# Allegro board RK_EVB1_RK3576_LP4XD200P132SD6_V12_20240530YWQ.brd (continued)
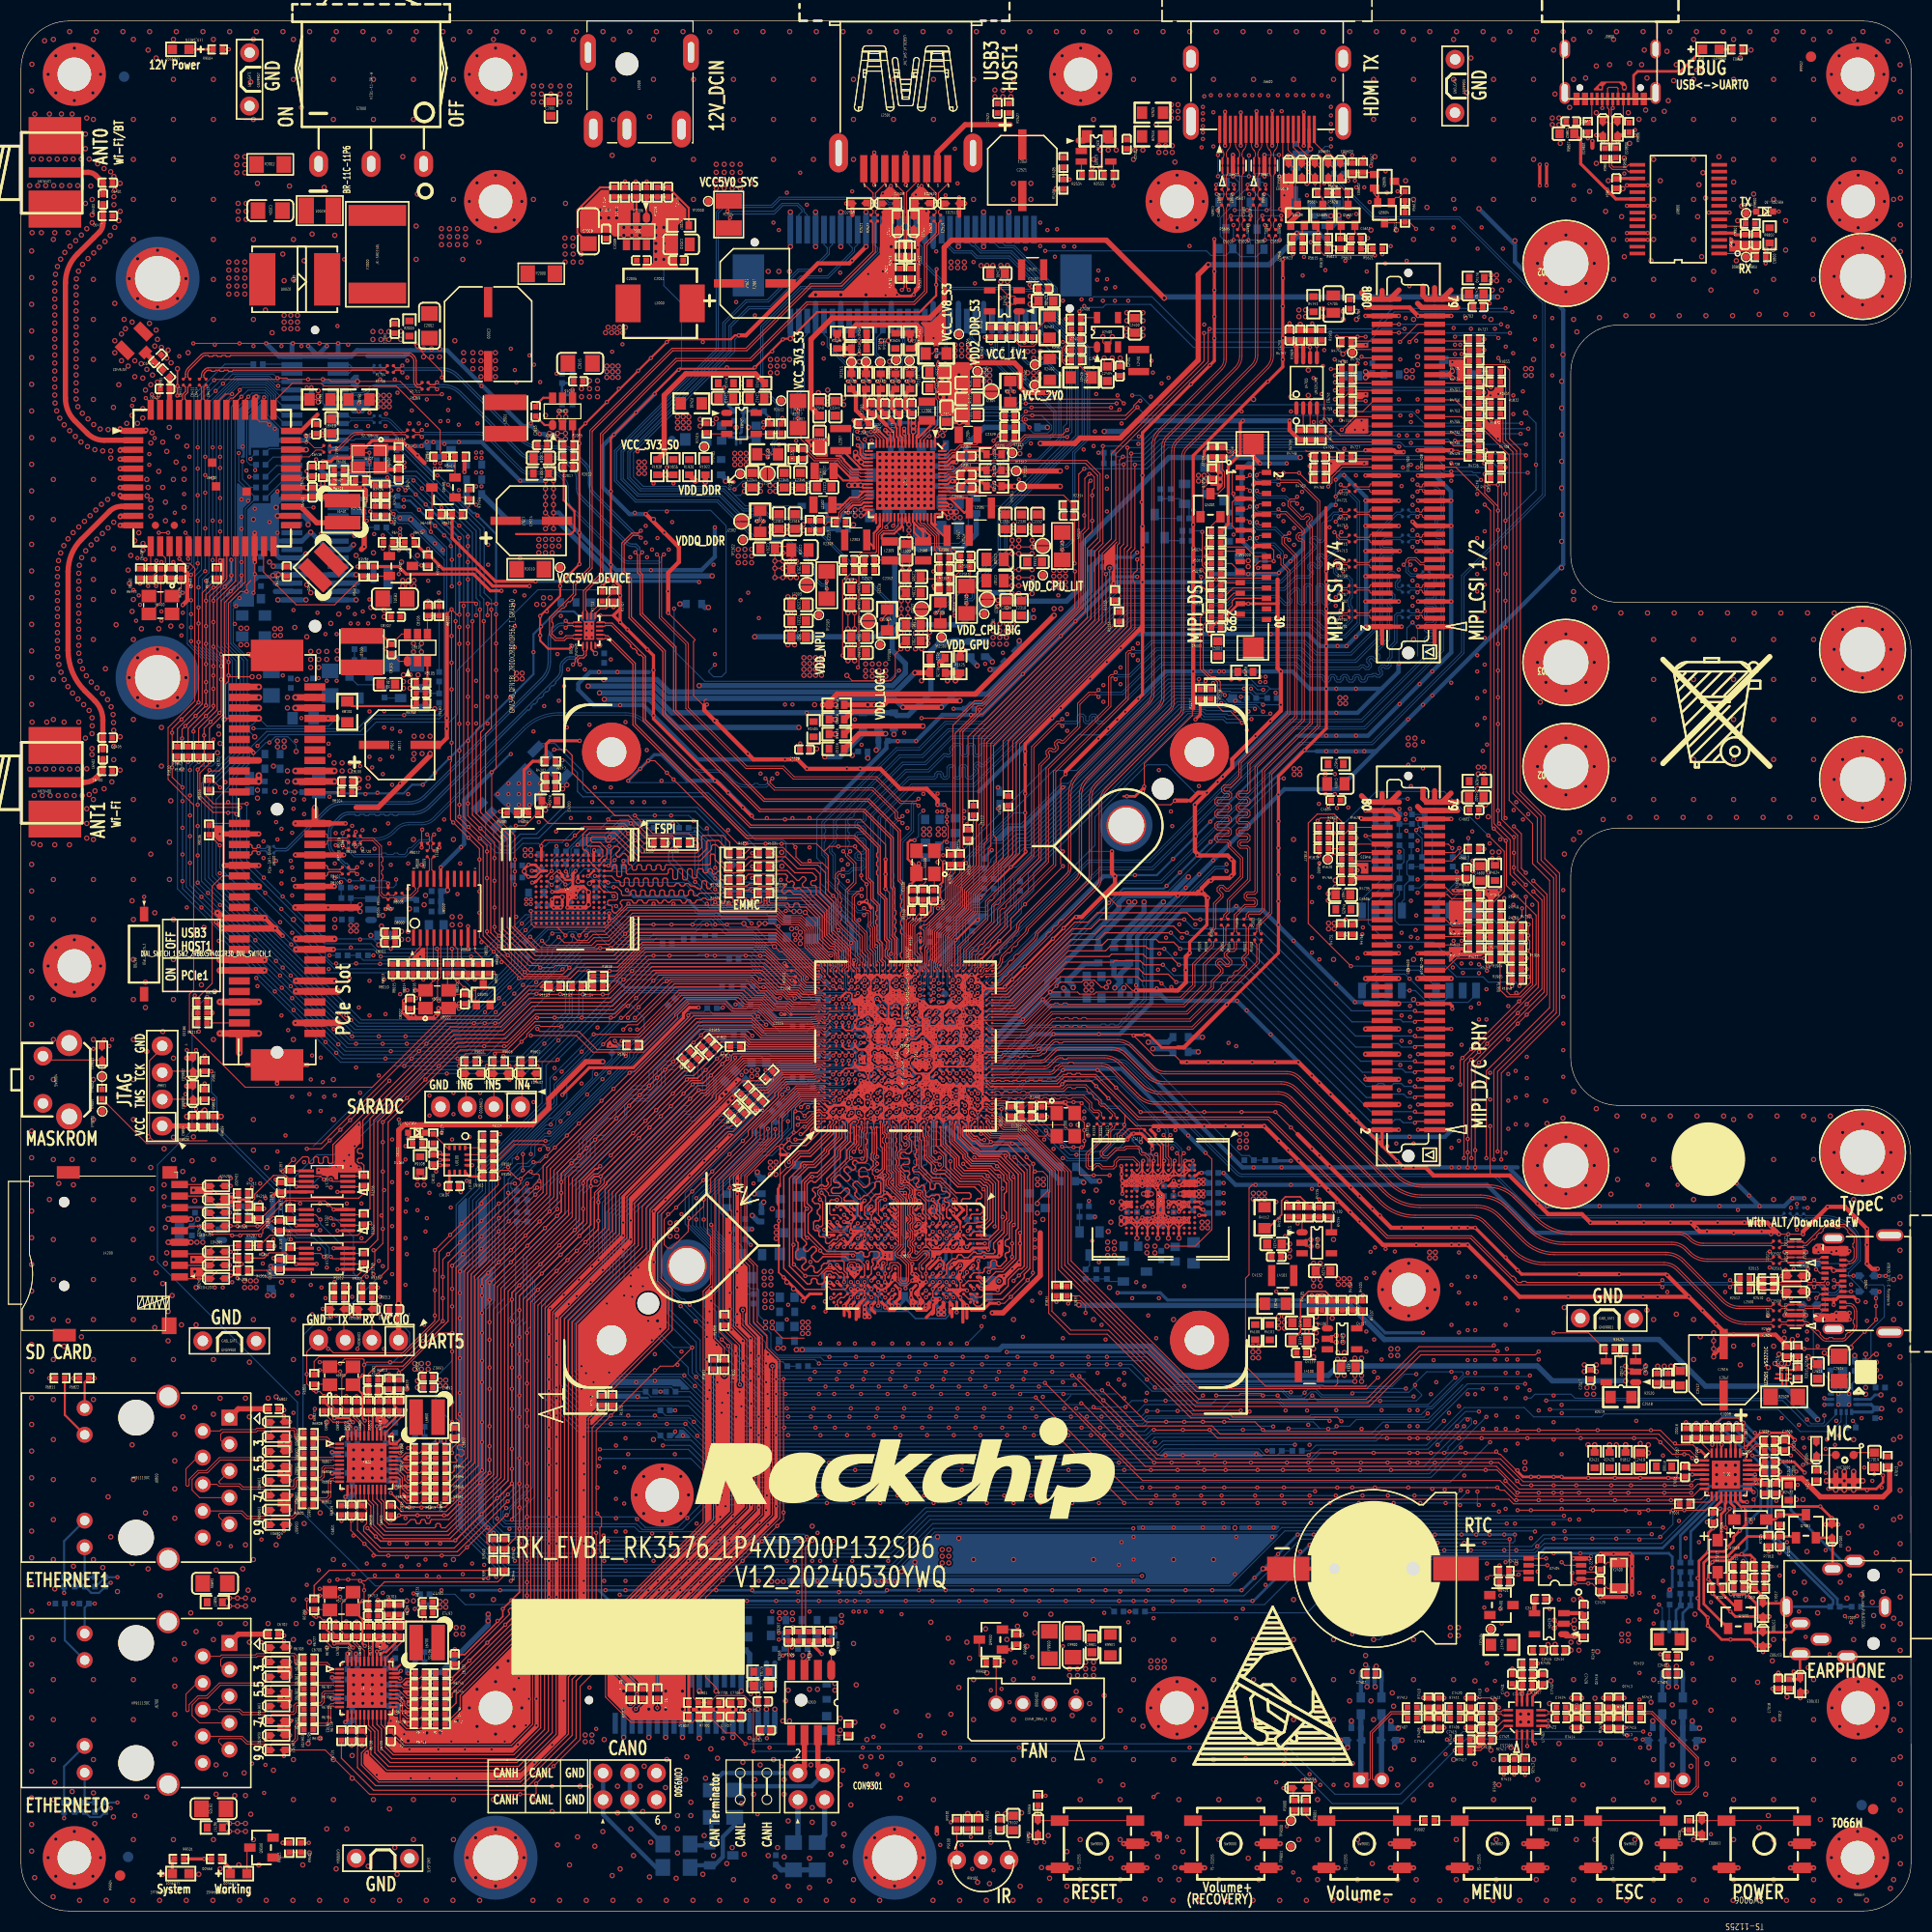
[diagram p0: board, top side]
## Routing (per net, layer and track width the routed paths; a pad name or vN(x,y) marks a point on that pad's centre or on a via; arc(x,y) is an arc through that point) (continued)
FSPI0_D3/EMMC_D3: length 16.7
  TOP w0.089: 78.79,91 78.79,90.57 78.84,90.53 78.84,89.61 U1000.F28
  TOP w0.102: 78.79,91 78.79,91.38
  TOP w0.114: 78.79,91.38 78.79,91.67 77.17,93.29 77.17,95.92 76.11,96.97 76.11,98.75 75.61,99.26 73.95,99.26 72.81,100.4 72.05,100.4 v1(71.71,100.75) R1331.1
  BOTTOM w0.114: R1331.1 v1(71.71,100.75)
FSPI_CLKOUT: length 17.7
  TOP w0.114: v1(50.79,110.61) 51.93,110.61 52.49,110.05 52.49,108.4 56.57,104.33 57.85,104.33 59.77,102.4 62.04,102.4 R1350.2
  BOTTOM w0.114: U4300.6 v1(50.79,110.61)
FSPI_CSN0: length 16
  TOP w0.114: R1352.2 60.17,101.67 59.35,101.67 57.44,103.58 50.24,103.58 R4300.2 48,103.36 v1(47.12,103.36)
  BOTTOM w0.114: U4300.1 v1(47.12,103.36)
FSPI_D0: length 33.3
  BOTTOM w0.114: U4300.5 49.03,110.66 49.57,111.2 50.84,111.2 53.51,108.53 53.51,106.88 53.89,106.5 65.45,106.5 69.93,102.01 72.58,102.01 72.86,101.73 72.86,100.58 72.19,99.91 70.41,99.91 70.3,99.8 R1340.2
FSPI_D1: length 29.6
  BOTTOM w0.114: U4300.2 45,103.03 45,102.31 45.89,101.42 46.4,101.42 47.54,102.56 49.06,102.56 51.6,105.1 64.43,105.1 67.1,102.43 67.1,100.4 R1341.2
FSPI_D2: length 36.4
  TOP w0.114: v1(45.64,104.72) 45.77,104.59 R4301.2
  BOTTOM w0.114: R1342.2 70.08,97.99 68.62,97.99 66.72,99.89 66.72,102.23 64.23,104.72 51.86,104.72 49.32,102.18 47.79,102.18 46.65,101.04 45.63,101.04 44.24,102.43 44.24,104.06 U4300.3 44.89,104.72 v1(45.64,104.72)
FSPI_D3: length 25.3
  TOP w0.114: R4302.2 51.46,109.49 v1(51.56,109.59)
  BOTTOM w0.114: U4300.7 v1(51.56,109.59) 51.81,109.59 53,108.4 53,106.62 53.51,106.12 65.19,106.12 70.3,101.01 R1343.2
GMAC0_INT/PMEB: length 5.5
  TOP w0.127: U6700.31 34.7,24.05 36.62,25.97 36.62,27.63 R6731.1
GMAC0_MCLKINOUT_M0: length 17.1
  TOP w0.114: R6710.1 C6703.1 R6713.1 33.1,29.83 34.62,31.34 45.41,31.34 46.04,31.97 R1944.2
GMAC0_MDC_M0: length 61.2
  TOP w0.114: U6700.13 31.9,17.75 32.04,17.6 32.04,13.66 33.77,11.94 47.7,11.94 52.49,16.73 52.49,22.07 54.4,23.98 54.4,46.05 56.32,47.97 R1925.2
GMAC0_MDIO_M0: length 60.1
  TOP w0.114: R1924.2 54.04,46.9 54.04,24.18 52.13,22.28 52.13,16.85 47.56,12.28 34.05,12.28 32.43,13.91 32.43,15.06 32.93,15.57 32.93,16.7 R6738.1 32.3,17.34 U6700.14
GMAC0_RSTN: length 132.2
  TOP w0.102: U1000.1C18 v1(77.94,85.07)
  TOP w0.114: v1(54.78,36.01) 54.78,23.82 52.87,21.92 52.87,16.45 47.92,11.5 33.57,11.5 30.51,14.56 R6739.1
  BOTTOM w0.102: 77.13,85.42 77.59,85.42 v1(77.94,85.07)
  BOTTOM w0.114: 77.13,85.42 73.45,85.42 72.81,86.05 72.05,86.05 71.29,86.81 68.62,86.81 68.49,86.94 63.16,86.94 57.96,81.74 57.96,81.29 50.45,73.78 49.88,73.78 48.94,72.84 48.94,71.95 48.17,71.19 47.28,71.19 46.04,69.94 46.04,58.34 44.98,57.28 44.98,36.98 45.95,36.01 v1(54.78,36.01)
GMAC0_RXCLK_M0: length 81.6
  TOP w0.089: 75.64,81.64 75.73,81.72 76.26,81.72 76.43,81.55 76.82,81.55 U1000.1A12
  TOP w0.114: R6744.2 40.43,22.63 C6722.1 41.77,23.52 46.51,28.25 46.51,28.41 46.42,28.5 46.42,28.67 46.58,28.83 46.74,28.83 46.88,28.69 47.04,28.69 47.2,28.85 47.2,29.01 47.06,29.15 47.06,29.31 47.22,29.47 47.39,29.47 47.52,29.33 47.69,29.33 47.83,29.48 47.83,58.28 54.62,65.07 54.62,68.4 55.54,69.32 55.54,69.67 64.48,78.61 65.25,78.61 67.65,81.02 67.65,81.43 67.86,81.64 75.64,81.64
GMAC0_RXCTL_M0: length 80.1
  TOP w0.089: U1000.B13 76.37,81.27 76.1,81.54 75.83,81.54 75.72,81.42 75.54,81.42
  TOP w0.114: 75.54,81.42 68.66,81.42 65.13,77.89 64.78,77.89 55.62,68.73 55.62,65.05 48.55,57.98 48.55,29.18 41.03,21.66 R6745.2
GMAC0_RXD0_M0: length 79.7
  TOP w0.114: R6740.2 40.55,20.7 48.89,29.04 48.89,57.84 55.97,64.91 55.97,68.6 65.04,77.67 65.22,77.67 68.75,81.2 75.93,81.2 U1000.A13
GMAC0_RXD1_M0: length 81.3
  TOP w0.089: U1000.1A11 76.87,81 75.3,81 75.28,80.99
  TOP w0.114: R6741.2 41.06,20.4 41.06,20.73 49.23,28.9 49.23,57.69 56.31,64.77 56.31,68.46 68.84,80.99 75.28,80.99
GMAC0_RXD2_M0: length 81.5
  TOP w0.089: U1000.B12 76.45,80.81 75.39,80.81 75.35,80.77
  TOP w0.114: R6742.2 41.44,19.82 41.44,20.62 49.58,28.76 49.58,57.55 56.65,64.63 56.65,68.31 65.83,77.49 65.83,77.67 68.93,80.77 75.35,80.77
GMAC0_RXD3_M0: length 82.8
  TOP w0.089: 75.65,80.53 75.74,80.62 76.26,80.62 76.43,80.45 76.92,80.45 U1000.1A10
  TOP w0.114: 75.65,80.53 69.03,80.53 66.21,77.71 66.21,77.38 56.99,68.17 56.99,64.49 49.92,57.41 49.92,28.61 41.82,20.52 41.82,19.23 R6743.2
GMAC0_TXCLK_M0: length 90.4
  TOP w0.114: U6700.20 34.7,17.67 C6720.1 35.23,17.03 36.49,15.77 46.71,15.77 48.73,17.79 48.73,23.68 49.33,24.28 49.33,24.44 49.08,24.69 49.08,24.85 49.24,25.01 49.4,25.01 49.65,24.76 49.81,24.76 49.97,24.93 49.97,25.09 49.72,25.34 49.72,25.5 49.89,25.66 50.05,25.66 50.3,25.41 50.46,25.41 50.64,25.59 50.64,57.03 57.71,64.11 57.71,68.01 68.76,79.07 70.66,79.07 R1931.2
GMAC0_TXCTL_M0: length 87.7
  TOP w0.114: U6700.19 34.3,17.76 34.71,17.34 34.71,15.62 35.45,14.88 46.93,14.88 49.49,17.45 49.49,23.41 51.4,25.32 51.4,56.52 58.43,63.55 58.43,67.4 65.95,74.93 65.95,75.06 68.58,77.68 R1928.2
GMAC0_TXD0_M0: length 86.5
  TOP w0.114: U6700.18 33.9,17.78 34.33,17.34 34.33,15.48 35.3,14.51 47.08,14.51 49.86,17.29 49.86,23.26 51.77,25.17 51.77,56.37 58.8,63.4 58.8,67.29 R1930.2
GMAC0_TXD1_M0: length 89.5
  TOP w0.114: U6700.17 33.5,17.67 34.01,17.16 34.01,16.37 34.01,15.63 34.01,15.28 35.14,14.14 47.23,14.14 50.23,17.14 50.23,23.11 52.14,25.01 52.14,56.22 59.17,63.25 59.17,67.1 67.07,75 67.2,75 68.35,76.15 R1929.2
GMAC0_TXD2_M0: length 88.4
  TOP w0.114: U6700.16 33.1,17.69 33.7,17.09 33.7,16.54 33.7,15.69 33.7,15.07 34.99,13.77 47.39,13.77 50.6,16.99 50.6,22.96 52.5,24.86 52.5,56.07 59.53,63.1 59.53,66.94 67.21,74.62 67.5,74.62 R1933.2
GMAC0_TXD3_M0: length 91.4
  TOP w0.114: R1932.2 67.8,74.24 67.35,74.24 59.9,66.79 59.9,62.94 52.87,55.91 52.87,24.71 50.97,22.8 50.97,16.84 47.54,13.41 34.84,13.41 33.31,14.93 33.31,15.46 33.31,17.09 32.7,17.71 U6700.15
GMAC1_INT/PMEB: length 24
  TOP w0.127: U6800.31 34.7,45.52 36.24,47.06 36.36,47.06 36.62,47.32 v1(36.62,47.7) 36.62,49.09 R6831.1
  L4-SIG w0.091: v1(37.38,30.24) 37.38,44.07 36.62,44.84 v1(36.62,47.7)
  BOTTOM w0.114: v1(37.38,30.24) 37.93,30.24 R1129.2
GMAC1_MCLKINOUT_M0: length 29.2
  TOP w0.114: R6810.1 C6803.1 R6813.1 33.1,51.16 33.82,51.89 36.39,51.89 40.68,56.18 40.68,61.76 v1(48.21,69.29)
  BOTTOM w0.114: R1903.2 v1(48.21,69.29)
GMAC1_MDC_M0: length 73.5
  TOP w0.114: v1(46.35,39.02) 41.55,34.21 34.1,34.21 32.04,36.27 32.04,39.06 31.9,39.21 U6800.13
  BOTTOM w0.114: R1920.2 65.67,83.1 63.67,81.1 63.67,80.08 52.51,68.92 52.51,66.64 48.18,62.31 48.18,56.21 47.83,55.86 47.83,40.49 v1(46.35,39.02)
GMAC1_MDIO_M0: length 75.2
  TOP w0.114: U6800.14 32.3,38.8 R6838.1 32.91,38.18 32.91,36.88 32.64,36.61 32.64,36.18 34.25,34.57 41.27,34.57 v1(46.38,39.67)
  BOTTOM w0.114: R1921.2 67.68,83.64 65.5,83.64 63.29,81.43 63.29,80.21 52.15,69.08 52.15,66.79 47.83,62.46 47.83,56.39 47.11,55.68 47.11,40.41 v1(46.38,39.67)
GMAC1_RSTN: length 93
  TOP w0.089: 75.5,86.12 76.25,86.12 76.43,85.95 77.02,85.95 U1000.1A19
  TOP w0.102: 75.5,86.12 74.72,86.12
  TOP w0.114: v1(34.2,60.4) 34.97,61.16 34.97,75.13 41.84,82.01 46.26,82.01 48.96,84.7 58.61,84.7 62.22,88.3 69.29,88.3 70.17,87.42 70.78,87.42 71.81,86.39 73.11,86.39 73.38,86.12 74.72,86.12 ; R6839.1 30.51,37.16 v1(30.52,37.16)
  BOTTOM w0.114: v1(34.2,60.4) 34.08,60.4 31.54,57.86 29.89,57.86 26.86,54.83 26.86,40.82 v1(30.52,37.16)
GMAC1_RXCLK_M0: length 68.1
  TOP w0.102: U1000.1D15 v1(78.54,83.27)
  TOP w0.114: v1(49.16,68.89) 49,68.73 48.89,68.73 41.44,61.28 41.44,46.94 41.75,46.62 41.75,45.54 C6822.1 41.32,45.02 R6844.2
  BOTTOM w0.114: v1(49.16,68.89) 49.61,68.89 52.28,71.57 53.3,71.57 53.51,71.78 53.51,73.52 58.23,78.24 59.97,78.24 60.22,78.49 60.22,80.1 64.93,84.81 71.21,84.81 72.24,83.77 74.85,83.77 75.22,84.15 76.92,84.15 77.23,83.84 77.97,83.84 v1(78.54,83.27)
GMAC1_RXCTL_M0: length 67.7
  TOP w0.089: 75.58,84.05 75.64,84.11 76.45,84.11 U1000.B18
  TOP w0.114: R6845.2 40.78,42.74 41.44,42.74 41.52,42.82 41.52,42.98 41.36,43.13 41.36,43.3 41.52,43.46 41.68,43.46 41.84,43.3 42,43.3 42.17,43.47 42.17,43.82 42.06,43.93 41.68,43.93 41.57,44.05 41.57,44.27 41.68,44.39 42.06,44.39 42.17,44.5 42.17,60.9 49.72,68.45 49.72,70.95 60.61,81.83 64.06,85.29 69.57,85.29 70.81,84.05 75.58,84.05
GMAC1_RXD0_M0: length 67.4
  TOP w0.089: U1000.1A16 77.04,84.14 76.65,83.75 76.43,83.75 76.26,83.92 75.74,83.92 75.65,83.83
  TOP w0.114: 75.65,83.83 70.72,83.83 69.55,85 64.26,85 60.95,81.69 50.07,70.81 50.07,68.31 42.52,60.76 42.52,43.18 41.7,42.36 41.44,42.36 41.25,42.17 41.25,41.92 41.06,41.73 40.83,41.73 R6840.2
GMAC1_RXD1_M0: length 66.8
  TOP w0.089: U1000.B17 76.37,83.47 76.1,83.74 75.83,83.74 75.72,83.62
  TOP w0.114: R6841.2 40.62,40.97 40.93,40.97 42.86,42.89 42.86,60.62 50.41,68.17 50.41,70.67 61.29,81.55 64.4,84.66 69.59,84.66 70.63,83.62 75.72,83.62
GMAC1_RXD2_M0: length 66.1
  TOP w0.114: U1000.A17 75.92,83.4 70.54,83.4 69.63,84.31 64.54,84.31 61.63,81.41 50.75,70.52 50.75,68.02 43.2,60.47 43.2,42.69 40.75,40.23 R6842.2
GMAC1_RXD3_M0: length 67.6
  TOP w0.089: U1000.1A15 76.67,83.2 75.61,83.2 75.59,83.18
  TOP w0.114: 75.59,83.18 70.45,83.18 69.67,83.97 64.68,83.97 51.09,70.38 51.09,67.88 43.54,60.33 43.54,42.42 R6843.2
GMAC1_TXCLK_M0: length 77.4
  TOP w0.114: U6800.20 34.7,39.13 C6820.1 35.68,38.6 36.24,38.04 40.48,38.04 44.26,41.82 44.26,60.03 v1(51.07,66.85)
  BOTTOM w0.114: R1914.2 75.65,83.38 71.03,83.38 70.27,84.15 64.99,84.15 62.61,81.77 62.61,80.88 62.27,80.55 61.26,80.55 60.98,80.27 60.98,78.59 59.75,77.35 58.06,77.35 57.49,76.78 57.49,75.76 55.6,73.87 54.58,73.87 54.23,73.51 54.23,71.83 53.25,70.85 52.38,70.85 51.07,69.54 v1(51.07,66.85)
GMAC1_TXCTL_M0: length 63.8
  TOP w0.114: R1919.2 62.95,81.22 51.81,70.08 51.81,66.39 45.02,59.6 45.02,41.57 40.73,37.28 39.09,37.28 38.98,37.17 38.98,37.02 38.87,36.9 38.64,36.9 38.52,37.02 38.52,37.17 38.41,37.28 38.18,37.28 38.07,37.17 38.07,37.02 37.95,36.9 37.72,36.9 37.61,37.02 37.61,37.17 37.49,37.28 37.12,37.28 36.68,36.83 35.03,36.83 34.58,37.28 34.58,38.93 34.3,39.22 U6800.19
GMAC1_TXD0_M0: length 66.3
  TOP w0.114: U6800.18 33.9,39.24 34.33,38.81 34.33,37.28 34.33,37.03 34.87,36.49 39.39,36.49 39.5,36.6 39.5,36.79 39.61,36.9 39.84,36.9 39.96,36.79 39.96,36.6 40.07,36.49 40.43,36.49 45.37,41.43 45.37,59.46 52.16,66.25 52.16,69.94 62.89,80.67 63.21,80.67 R1915.2
GMAC1_TXD1_M0: length 64.7
  TOP w0.114: R1918.2 63.56,80.34 63.04,80.34 55.65,72.95 52.5,69.8 52.5,66.11 45.71,59.32 45.71,41.29 40.57,36.15 34.7,36.15 33.95,36.9 33.95,37.83 33.95,38.68 33.5,39.13 U6800.17
GMAC1_TXD2_M0: length 67.6
  TOP w0.114: U6800.16 33.1,39.15 33.57,38.68 33.57,38 33.57,37.15 33.57,36.77 34.54,35.8 40.71,35.8 46.05,41.15 46.05,59.17 52.84,65.96 52.84,69.66 55.89,72.71 63.17,79.99 63.89,79.99 R1912.2
GMAC1_TXD3_M0: length 70.6
  TOP w0.114: R1913.2 66.84,82.32 64.09,79.57 63.24,79.57 53.19,69.51 53.19,65.82 46.39,59.03 46.39,41 40.85,35.46 34.5,35.46 33.31,36.65 33.31,36.92 33.31,38.56 32.7,39.17 U6800.15
GPIO0_A0_D: length 11.6
  TOP w0.102: R1110.1 88.54,98.93 88.05,98.45 88.05,96.38 87.5,95.83 87.16,95.83 86.91,95.58 86.91,95.07 86.14,94.31 85.64,94.31 85.12,93.79 85.12,91.14 85.39,90.88 85.39,90.11 U1000.V29
GPIO0_A2_D: length 47.5
  TOP w0.102: U1000.1U23 v1(86.94,88.67)
  BOTTOM w0.102: v1(86.94,88.67) 87.16,88.89 87.16,89.83 89.7,92.37 89.7,94.56 90.72,95.58 91.79,95.58 93.07,96.85 93.07,99.95 95.05,101.93 96.01,101.93 109.87,115.79 113.88,115.79 114.24,116.15 115.14,116.15 115.23,116.06 117.09,116.06 R1111.1 R1113.1
GPIO0_A3_D: length 16.8
  TOP w0.089: 86.28,90.54 86.28,90.29 86.17,90.18 86.17,89.88 86.44,89.61 U1000.Y28
  TOP w0.102: R1112.1 90.7,99.59 88.86,97.74 88.86,95.98 86.41,93.54 86.41,91.65 86.28,91.52 86.28,90.54
GPIO0_A4_D: length 15.1
  TOP w0.089: 86.08,90.46 86.08,90.35 85.99,90.26 85.99,89.8 86.16,89.63 86.16,89.09 U1000.1T24
  TOP w0.102: 86.08,90.46 86.08,91.7 86.21,91.83 86.21,93.62 88.66,96.07 88.66,97.83 90.34,99.51 90.34,99.77 90.34,99.77 90.34,101.93 R1114.1
GPIO0_A5_D: length 218
  TOP w0.102: v1(103.04,139.52) 103.04,130.25 102.28,129.48 102.28,122.99 91.21,111.92 91.21,103.94 90.97,103.7 90.97,99.58 89.06,97.66 89.06,95.9 86.61,93.45 86.61,90.63 86.48,90.5 86.48,90.11 U1000.Y29
  L4-SIG w0.102: v1(174.46,46.68) 174.46,47.14 173.75,47.85 173.75,54.02 174.28,54.55 175.48,54.55 176.3,55.37 176.3,65.12 171.49,69.92 155.43,69.92 146.53,78.82 146.53,100.77 146.53,100.78 146.53,105.04 143.93,107.64 143.93,140.79 v1(143.55,141.17)
  BOTTOM w0.102: v1(143.55,141.17) 137.84,141.17 137.58,141.42 125.01,141.42 124.76,141.17 107.99,141.17 106.9,140.07 105.58,140.07 105.03,139.52 v1(103.04,139.52) ; R1115.1 174.73,46.41 v1(174.46,46.68)
GPIO0_A6_U: length 8
  TOP w0.102: v1(85.61,87.19) 85.63,87.17 U1000.1T21
  BOTTOM w0.102: v1(85.61,87.19) 85.94,87.52 85.94,87.95 86.18,88.19 86.18,88.94 86.5,89.26 86.5,90.85 88.33,92.67 R1116.1
GPIO0_A7_U: length 13
  TOP w0.102: U1000.1U21 v1(86.94,87.47)
  BOTTOM w0.102: R1117.1 91.38,97.38 88.81,94.81 88.81,92.76 86.71,90.65 86.71,89.18 86.38,88.86 86.38,88.05 C1120.1 86.94,87.49 v1(86.94,87.47)
GPIO0_B0_Z: length 12.8
  TOP w0.102: U1000.1U22 v1(86.94,88.07)
  BOTTOM w0.102: v1(86.94,88.07) 86.59,88.42 86.59,88.78 86.91,89.1 86.91,89.86 89.36,92.31 89.36,94.59 90.59,95.83 91.23,95.83 92.64,97.25 R1118.1
GPIO0_B1_Z: length 1.7
  TOP w0.102: v1(85.14,88.66) 85.12,88.64 85.11,88.64 U1000.1P23
  BOTTOM w0.102: R1120.1 85.52,89.62 85.52,89.05 85.14,88.67 v1(85.14,88.66)
GPIO0_B2_Z: length 6.4
  TOP w0.102: v1(85.61,87.77) U1000.1T22
  BOTTOM w0.102: v1(85.61,87.77) 85.61,87.9 85.98,88.27 85.98,89.02 86.3,89.34 86.3,91.23 87.44,92.37 R1122.1
GPIO0_B3_Z: length 4.8
  TOP w0.102: v1(85.61,88.37) U1000.1T23
  BOTTOM w0.102: R1123.1 86.1,91.85 86.1,89.42 85.73,89.05 85.73,88.49 v1(85.61,88.37)
GPIO0_B4_D: length 280.3
  TOP w0.089: U1000.AD28 88.64,89.61 88.37,89.88 88.37,90.18 88.44,90.25 88.44,90.54
  TOP w0.102: 88.44,90.54 88.44,92.7 90.86,95.13 90.86,96.76 94.78,100.68 94.78,111.29 105.72,122.22 105.72,129.37 106.08,129.74 v1(106.08,137.74)
  L4-SIG w0.102: v1(123.8,34.55) 124.12,34.87 124.12,56.84 124.64,57.36 124.64,60.66 128.31,64.33 128.31,68.65 128.44,68.78 128.44,91.77 133.36,96.7 133.36,105.65 130.86,108.15 130.86,139.07 v1(131.26,139.47)
  BOTTOM w0.102: v1(131.26,139.47) 131.11,139.62 108.91,139.62 107.03,137.74 v1(106.08,137.74) ; R1130.1 R1129.1 41.32,30.17 42.3,29.18 118.43,29.18 v1(123.8,34.55)
GPIO0_B7_D: length 40.8
  TOP w0.089: 87.82,90.49 87.81,90.48 87.81,89 U1000.1W24
  TOP w0.102: 87.82,90.49 87.82,92.94 90.26,95.38 90.26,97.02 93.53,100.29 93.53,111.44 104.56,122.47 R1131.1
GPIO0_C0_D: length 41.9
  TOP w0.102: R1133.1 104.05,124.72 104.05,122.43 92.62,111 92.62,102.45 92.88,102.2 92.88,99.92 90.06,97.1 90.06,95.47 87.62,93.02 87.62,90.14 U1000.AB29
GPIO0_C3_D: length 1.1
  TOP w0.102: v1(87.41,87.17) U1000.1W21
  BOTTOM w0.102: v1(87.41,87.17) 87.8,87.17 TP1100.1
GPIO0_C7_D: length 11.8
  TOP w0.102: U1000.1Y23 v1(88.74,88.67)
  BOTTOM w0.102: R1109.1 94.78,96.78 94.78,95.41 90.96,91.58 90.64,91.58 88.74,89.68 v1(88.74,88.67)
GPIO0_D1_D: length 18.3
  TOP w0.089: 88.04,90.38 88,90.34 88,89.61 U1000.AC28
  TOP w0.102: R1137.1 94.02,100.49 90.46,96.93 90.46,95.3 88.04,92.88 88.04,90.38
GPIO0_D3_D: length 132.5
  TOP w0.102: U1000.1AA23 89.3,88.62 v1(89.3,88.62)
  L4-SIG w0.102: v1(105.58,28.52) 105.58,57.6 111.52,63.55 111.52,70.4 112.31,71.19 112.31,78.18 117.18,83.05 v1(117.18,113.51)
  BOTTOM w0.102: R1142.1 v1(105.58,28.52) R1140.1 ; v1(89.3,88.62) 89.07,88.84 89.07,89.73 90.72,91.38 91.18,91.38 95.04,95.23 95.04,96.21 95.93,97.1 95.93,98.83 111.14,114.04 112.38,114.04 112.69,113.74 114.59,113.74 114.82,113.51 v1(117.18,113.51)
GPIO1_A4: length 20
  TOP w0.089: 78.57,90.46 78.65,90.38 78.65,89.88 78.47,89.7 78.47,89.34 U1000.1D24
  TOP w0.102: 78.57,90.46 78.57,91.38
  TOP w0.114: 78.57,91.38 78.57,91.58 77.63,92.53 77.49,92.53 76.95,93.07 76.95,95.63 75.73,96.85 75.73,97.55 75.62,97.67 75.34,97.67 75.22,97.78 75.22,98.01 75.34,98.12 75.62,98.12 75.73,98.24 75.73,98.5 75.35,98.88 73.7,98.88 72.56,100.02 69.52,100.02 68.98,99.48 R1332.1
GPIO1_A5: length 19.9
  TOP w0.089: U1000.G28 79.02,89.79 79.02,90.66 79,90.68
  TOP w0.114: 79,90.68 79,91.78 77.38,93.39 77.38,96.13 76.62,96.89 76.62,98.88 75.89,99.61 74.24,99.61 72.56,101.29 69.52,101.29 68.98,100.75 R1333.1
GPIO1_A6: length 15.9
  TOP w0.089: 77.74,90.5 77.74,89.61 U1000.D28
  TOP w0.102: 77.74,90.5 77.68,90.56 77.68,91.22 77.52,91.38
  TOP w0.114: 77.52,91.38 77.26,91.64 76.98,91.64 76.09,92.53 76.09,94.66 74.28,96.46 72.05,96.46 71.82,96.7 71.82,96.87 72.05,97.1 72.05,97.37 71.94,97.48 71.54,97.48 71.41,97.61 70.27,97.61 70.14,97.48 69.52,97.48 69.26,97.22 68.69,97.22 R1334.1
GPIO1_A7: length 13.3
  TOP w0.089: 77.47,90.41 77.55,90.33 77.55,89.88 77.37,89.7 77.37,89.24 U1000.1B24
  TOP w0.102: 77.47,90.41 77.47,91.14 77.28,91.33 76.88,91.33
  TOP w0.114: 76.88,91.33 75.87,92.34 75.87,94.49 74.75,95.61 74.23,95.61 74.12,95.72 74.12,95.86 73.99,95.99 73.71,95.99 73.6,95.87 73.6,95.72 73.49,95.61 73.26,95.61 73.14,95.72 73.14,95.87 73.03,95.99 71.38,95.99 71.27,96.1 71.27,96.87 R1335.1
GPIO1_B0: length 28.8
  TOP w0.114: v1(80.34,87.47) U1000.1F22
  BOTTOM w0.114: R1336.1 64.28,103.16 65.66,101.78 65.66,99.3 67.49,97.48 76.02,97.48 79.54,93.96 79.54,91.38 80.56,90.37 80.56,89.1 80.77,88.89 80.77,87.9 v1(80.34,87.47)
GPIO1_B2: length 29.3
  TOP w0.114: U1000.1F23 v1(80.34,88.67)
  BOTTOM w0.114: v1(80.34,88.67) 80.3,88.7 80.3,90.08 78.7,91.68 78.7,93.88 75.82,96.76 67.18,96.76 64.94,99 64.94,101.8 64.21,102.52 62.25,102.52 61.61,103.16 R1338.1
GPIO1_C1_D: length 1.2
  TOP w0.114: U1000.1B22 v1(77.34,88.07)
  BOTTOM w0.114: R1813.1 76.99,88.07 v1(77.34,88.07)
GPIO1_C2_U: length 32.4
  TOP w0.102: v1(49.62,92.4) 50.05,91.97 54.35,91.97 54.77,92.39 55.98,92.39 58.34,94.76 71.96,94.76 72.53,94.19 74.09,94.19 74.85,93.43 74.85,91.91 75.63,91.13 75.64,91.13 76.54,90.22 U1000.B29
  BOTTOM w0.102: R1814.1 48.9,91.69 v1(49.62,92.4)
GPIO1_C3_U: length 16
  TOP w0.102: U1000.1C23 v1(77.99,88.62)
  BOTTOM w0.102: R1815.1 64.17,92.39 69.77,92.39 71.35,90.81 75.87,90.81 77.99,88.69 v1(77.99,88.62)
GPIO1_C4_D: length 17.4
  TOP w0.102: U1000.1B23 v1(77.34,88.67)
  BOTTOM w0.102: v1(77.34,88.67) 76.11,89.9 76.11,90.25 75.76,90.61 71.26,90.61 69.81,92.06 62.09,92.06 R1816.1
GPIO1_C5_D: length 33.4
  TOP w0.102: U1000.B28 76.54,89.66 76.27,89.94 76.27,90.18 74.65,91.8 74.65,93.35 74.04,93.95 72.48,93.95 71.98,94.45 58.44,94.45 56.05,92.06 54.89,92.06 54.59,91.77 49.51,91.77 v1(48.49,92.78)
  BOTTOM w0.102: R1817.1 48.07,92.35 v1(48.49,92.78)
GPIO1_C6_D: length 23.3
  TOP w0.102: R1818.1 56.55,89.03 59.32,91.8 71,91.8 72.19,90.61 72.96,90.61 74.51,89.05 74.51,88.69 74.78,88.42 U1000.A26
GPIO1_C7_D: length 11.4
  TOP w0.102: U1000.1C22 v1(77.99,88.02)
  BOTTOM w0.102: v1(77.99,88.02) 77.68,87.72 76.1,87.72 75.35,88.47 74.7,88.47 73.68,89.49 70.52,89.49 69.38,90.62 68.38,90.62 R1819.1
GPIO1_D0_D: length 90.1
  TOP w0.102: U1000.C29 77.03,90.13 77.03,90.31 76.49,90.84 76.49,90.84 75.26,92.08 75.26,93.6 74.26,94.59 72.7,94.59 71.97,95.32 58.03,95.32 55.71,93 54.49,93 53.92,92.43 52.99,92.43 v1(52.51,92.91) ; R1820.1 v1(15.92,109.42)
  BOTTOM w0.102: v1(52.51,92.91) 52.51,92.4 42.35,82.24 31.02,82.24 15.74,97.53 15.74,109.24 v1(15.92,109.42) R1820.1
GPIO1_D1_D: length 81.6
  TOP w0.102: R1821.1 v1(17.95,109.42) 17.95,109.29 17.03,108.38 17.03,106.27 18.2,105.1 v1(20.86,105.1) ; v1(79.1,88.02) 79.09,88.02 U1000.1D22
  BOTTOM w0.102: R1821.1 v1(17.95,109.42) ; v1(20.86,105.1) 20.86,100.14 28.89,92.12 33.33,92.12 34.19,91.26 44.4,91.26 48.03,94.88 55.33,94.88 55.81,95.36 56.26,95.36 56.92,94.71 65.97,94.71 67.36,93.31 69.72,93.31 71.6,91.42 76.21,91.42 77.14,90.5 77.51,90.5 78.74,89.26 78.74,88.19 78.92,88.02 v1(79.1,88.02)
GPIO1_D2_D: length 89.5
  TOP w0.102: v1(51.2,92.76) 51.74,92.23 54.1,92.23 54.57,92.7 55.91,92.7 58.24,95.04 71.97,95.04 72.62,94.39 74.18,94.39 75.05,93.51 75.05,92 76.82,90.23 76.82,89.19 U1000.1A24 ; R1822.1 v1(16.93,109.42)
  BOTTOM w0.102: R1822.1 v1(16.93,109.42) 16.45,108.94 16.45,97.82 31.32,82.95 42.03,82.95 50.14,91.06 50.14,91.7 v1(51.2,92.76)
GPIO1_D3_D: length 92.1
  TOP w0.089: 77.26,90.37 77.26,90.28 77.36,90.18 77.36,89.96 77.09,89.69 U1000.C28
  TOP w0.102: v1(53.83,92.91) 54.23,93.31 55.51,93.31 57.78,95.58 72.01,95.58 72.79,94.8 74.35,94.8 75.46,93.68 75.46,92.17 77.26,90.37 ; R1842.1 v1(14.9,109.42)
  BOTTOM w0.102: R1842.1 v1(14.9,109.42) 14.9,97.36 30.72,81.54 42.64,81.54 53.83,92.73 v1(53.83,92.91)
GPIO1_D4_D: length 16.9
  TOP w0.102: U1000.1E21 v1(79.7,87.42)
  BOTTOM w0.102: R1823.1 66.28,92.7 69.75,92.7 71.43,91.02 75.98,91.02 77.65,89.35 77.86,89.35 78.34,88.87 78.34,87.89 78.81,87.42 v1(79.7,87.42)
GPIO1_D5_D: length 55.3
  TOP w0.102: v1(79.7,88.02) 79.7,88.02 U1000.1E22
  BOTTOM w0.102: v1(79.7,88.02) 79.7,88.02 79.36,87.69 78.82,87.69 78.54,87.97 78.54,89.08 77.64,89.99 77.33,89.99 76.1,91.22 71.52,91.22 69.73,93 67.13,93 66.59,93.54 66.02,93.54 65.73,93.83 65.73,94.11 65.54,94.3 64.93,94.3 64.23,93.59 57.3,93.59 56.23,94.66 55.68,94.66 55.45,94.43 48.58,94.43 44.7,90.55 32.59,90.55 R1824.1 R1825.1
GPIO2_B0_D: length 20.7
  TOP w0.089: 75.76,84.71 75.88,84.84 76.1,84.84 76.37,84.57 U1000.B19
  TOP w0.102: R1907.1 59.01,82.46 63.37,86.81 68.07,86.81 68.72,86.16 70.29,86.16 71.79,84.66 75.36,84.66 75.4,84.71 75.76,84.71
GPIO2_B1_D: length 23.6
  TOP w0.089: U1000.1A18 76.88,85.2 76.88,85.03 76.68,84.84 76.44,84.84 76.25,85.02 75.79,85.02 75.69,84.92
  TOP w0.102: v1(57.21,82.88) 57.34,83 59.13,83 63.14,87.02 68.29,87.02 68.94,86.36 70.38,86.36 71.87,84.87 75.28,84.87 75.33,84.92 75.69,84.92
  BOTTOM w0.102: v1(57.21,82.88) 56.91,82.57 R1908.1
GPIO2_C3_D: length 10.2
  TOP w0.114: U1000.A15 75.92,82.3 69.28,82.3 68.82,82.76 66.66,82.76 R1912.1
GPIO2_C4_D: length 8.8
  TOP w0.089: U1000.1A13 76.77,82.1 75.44,82.1 75.42,82.08
  TOP w0.114: R1913.1 68.71,82.08 75.42,82.08
GPIO2_C5_D: length 1.8
  TOP w0.102: U1000.1C15 v1(77.94,83.27)
  BOTTOM w0.114: R1914.1 76.79,83.63 77.58,83.63 v1(77.94,83.27)
GPIO2_C6_D: length 12.1
  TOP w0.089: 75.68,82.73 75.78,82.82 76.26,82.82 76.43,82.65 76.72,82.65 U1000.1A14
  TOP w0.114: 75.68,82.73 69.46,82.73 68.93,83.26 65.8,83.26 R1915.1
GPIO2_C7_D: length 13.3
  TOP w0.089: U1000.B15 76.37,82.37 76.1,82.64 75.87,82.64 75.75,82.52
  TOP w0.114: R1918.1 66.23,83 68.88,83 69.37,82.52 75.75,82.52
GPIO2_D0_D: length 13.8
  TOP w0.089: 75.58,82.97 75.65,82.97 75.7,83.01 76.45,83.01 U1000.B16
  TOP w0.114: R1919.1 65.37,83.51 68.98,83.51 69.53,82.97 75.58,82.97
GPIO2_D4_D: length 11.4
  TOP w0.102: U1000.1B13 v1(77.64,82.8)
  BOTTOM w0.102: R1920.1 67.11,82.88 69,82.88 69.13,82.75 77.59,82.75 v1(77.64,82.8)
GPIO2_D5_D: length 9.3
  TOP w0.102: U1000.1B15 v1(77.34,83.27)
  BOTTOM w0.102: R1921.1 69.22,83 77.07,83 v1(77.34,83.27)
GPIO2_D6_D: length 26.5
  TOP w0.102: v1(47.8,72.08) v1(47.8,70.55)
  BOTTOM w0.102: R1901.1 R1900.1 47.21,67.71 46.78,68.14 46.78,68.78 46.65,68.91 46.65,69.4 47.79,70.55 v1(47.8,70.55) ; R1911.2 61.65,85.99 50.94,75.28 50.94,74.86 50.58,74.5 49.92,74.5 47.8,72.37 v1(47.8,72.08)
GPIO2_D7_D: length 36
  BOTTOM w0.102: R1902.1 R1903.1 48.21,67.73 47.78,68.15 47.78,69.4 48.17,69.79 48.61,69.79 64.04,85.22 69.72,85.22 70.04,85.54 71.08,85.54 72.11,84.51 73.27,84.51 R1949.2
GPIO3_A2_D: length 234.8
  TOP w0.089: 75.73,86.56 75.79,86.5 76.97,86.5 U1000.1A20
  TOP w0.102: R1906.1 R1904.1 R1905.1 R1950.1 R1948.1 v1(142,88.08) ; 75.73,86.56 73.54,86.56 73.24,86.87 72.88,86.87 72.44,87.31 71.88,87.31 70.85,88.33 70.28,88.33 69.7,88.92 61.17,88.92 57.31,85.06 v1(57.14,85.06)
  L4-SIG w0.102: v1(142,88.08) 142,88.08 142,37.4 v1(141.5,36.9)
  BOTTOM w0.102: v1(57.14,85.06) 57.11,85.06 50.77,78.72 50.77,76.97 44.24,70.43 44.24,68.4 43.36,67.52 43.36,61.17 42.89,60.7 42.89,36.45 46.38,32.96 82.91,32.96 86.84,36.9 v1(141.5,36.9)
GPIO3_A4_D: length 72.3
  TOP w0.102: U1000.1D13 v1(78.84,82.8)
  TOP w0.114: v1(46.26,37.71) 46.23,37.68 46.16,37.68 44.36,35.89 44.36,35.12 R1940.1 R1938.1
  BOTTOM w0.102: v1(46.26,37.71) 46.31,37.71 46.53,37.93 46.53,38.16 48.73,40.36 48.73,60.35 53.13,64.74 53.13,68.41 53.9,69.18 53.9,69.45 54.63,70.18 54.9,70.18 64.05,79.33 64.05,80.72 66,82.67 68.7,82.67 68.89,82.48 77.4,82.48 77.41,82.47 78.51,82.47 v1(78.84,82.8)
GPIO3_A5_D: length 41.2
  TOP w0.114: U1000.A9 75.92,79 75.46,79 75.46,79 72.89,79 71.8,77.9 71.8,77.62 60.62,66.45 60.62,60.02 61.67,58.96 61.67,55.43 R1924.1
GPIO3_A6_D: length 41.5
  TOP w0.089: U1000.1A7 77.01,78.8 75.5,78.8 75.48,78.78
  TOP w0.114: 75.48,78.78 72.98,78.78 72.12,77.92 72.12,77.5 65.69,71.07 65.69,71.07 61,66.38 61,60.27 62.02,59.25 62.02,55.32 56.32,49.62 R1925.1
GPIO3_B0_D: length 67.3
  TOP w0.089: 75.47,81.85 75.53,81.91 76.45,81.91 U1000.B14
  TOP w0.114: R1944.1 R1942.1 47.11,35.56 47.11,58.73 53.91,65.52 53.91,69.57 54.53,70.2 54.93,70.2 63.81,79.08 64.7,79.08 67.47,81.85 75.47,81.85
GPIO3_B3_D: length 7.5
  TOP w0.114: R1928.1 69.44,78.68 70.98,78.68 72.4,80.1 75.92,80.1 U1000.A11
GPIO3_B4_D: length 7.5
  TOP w0.089: U1000.B10 76.45,79.71 75.49,79.71 75.43,79.65
  TOP w0.114: R1929.1 70.37,78.18 71.08,78.18 72.56,79.65 75.43,79.65